# KiCad board DCDC_converter.kicad_pcb
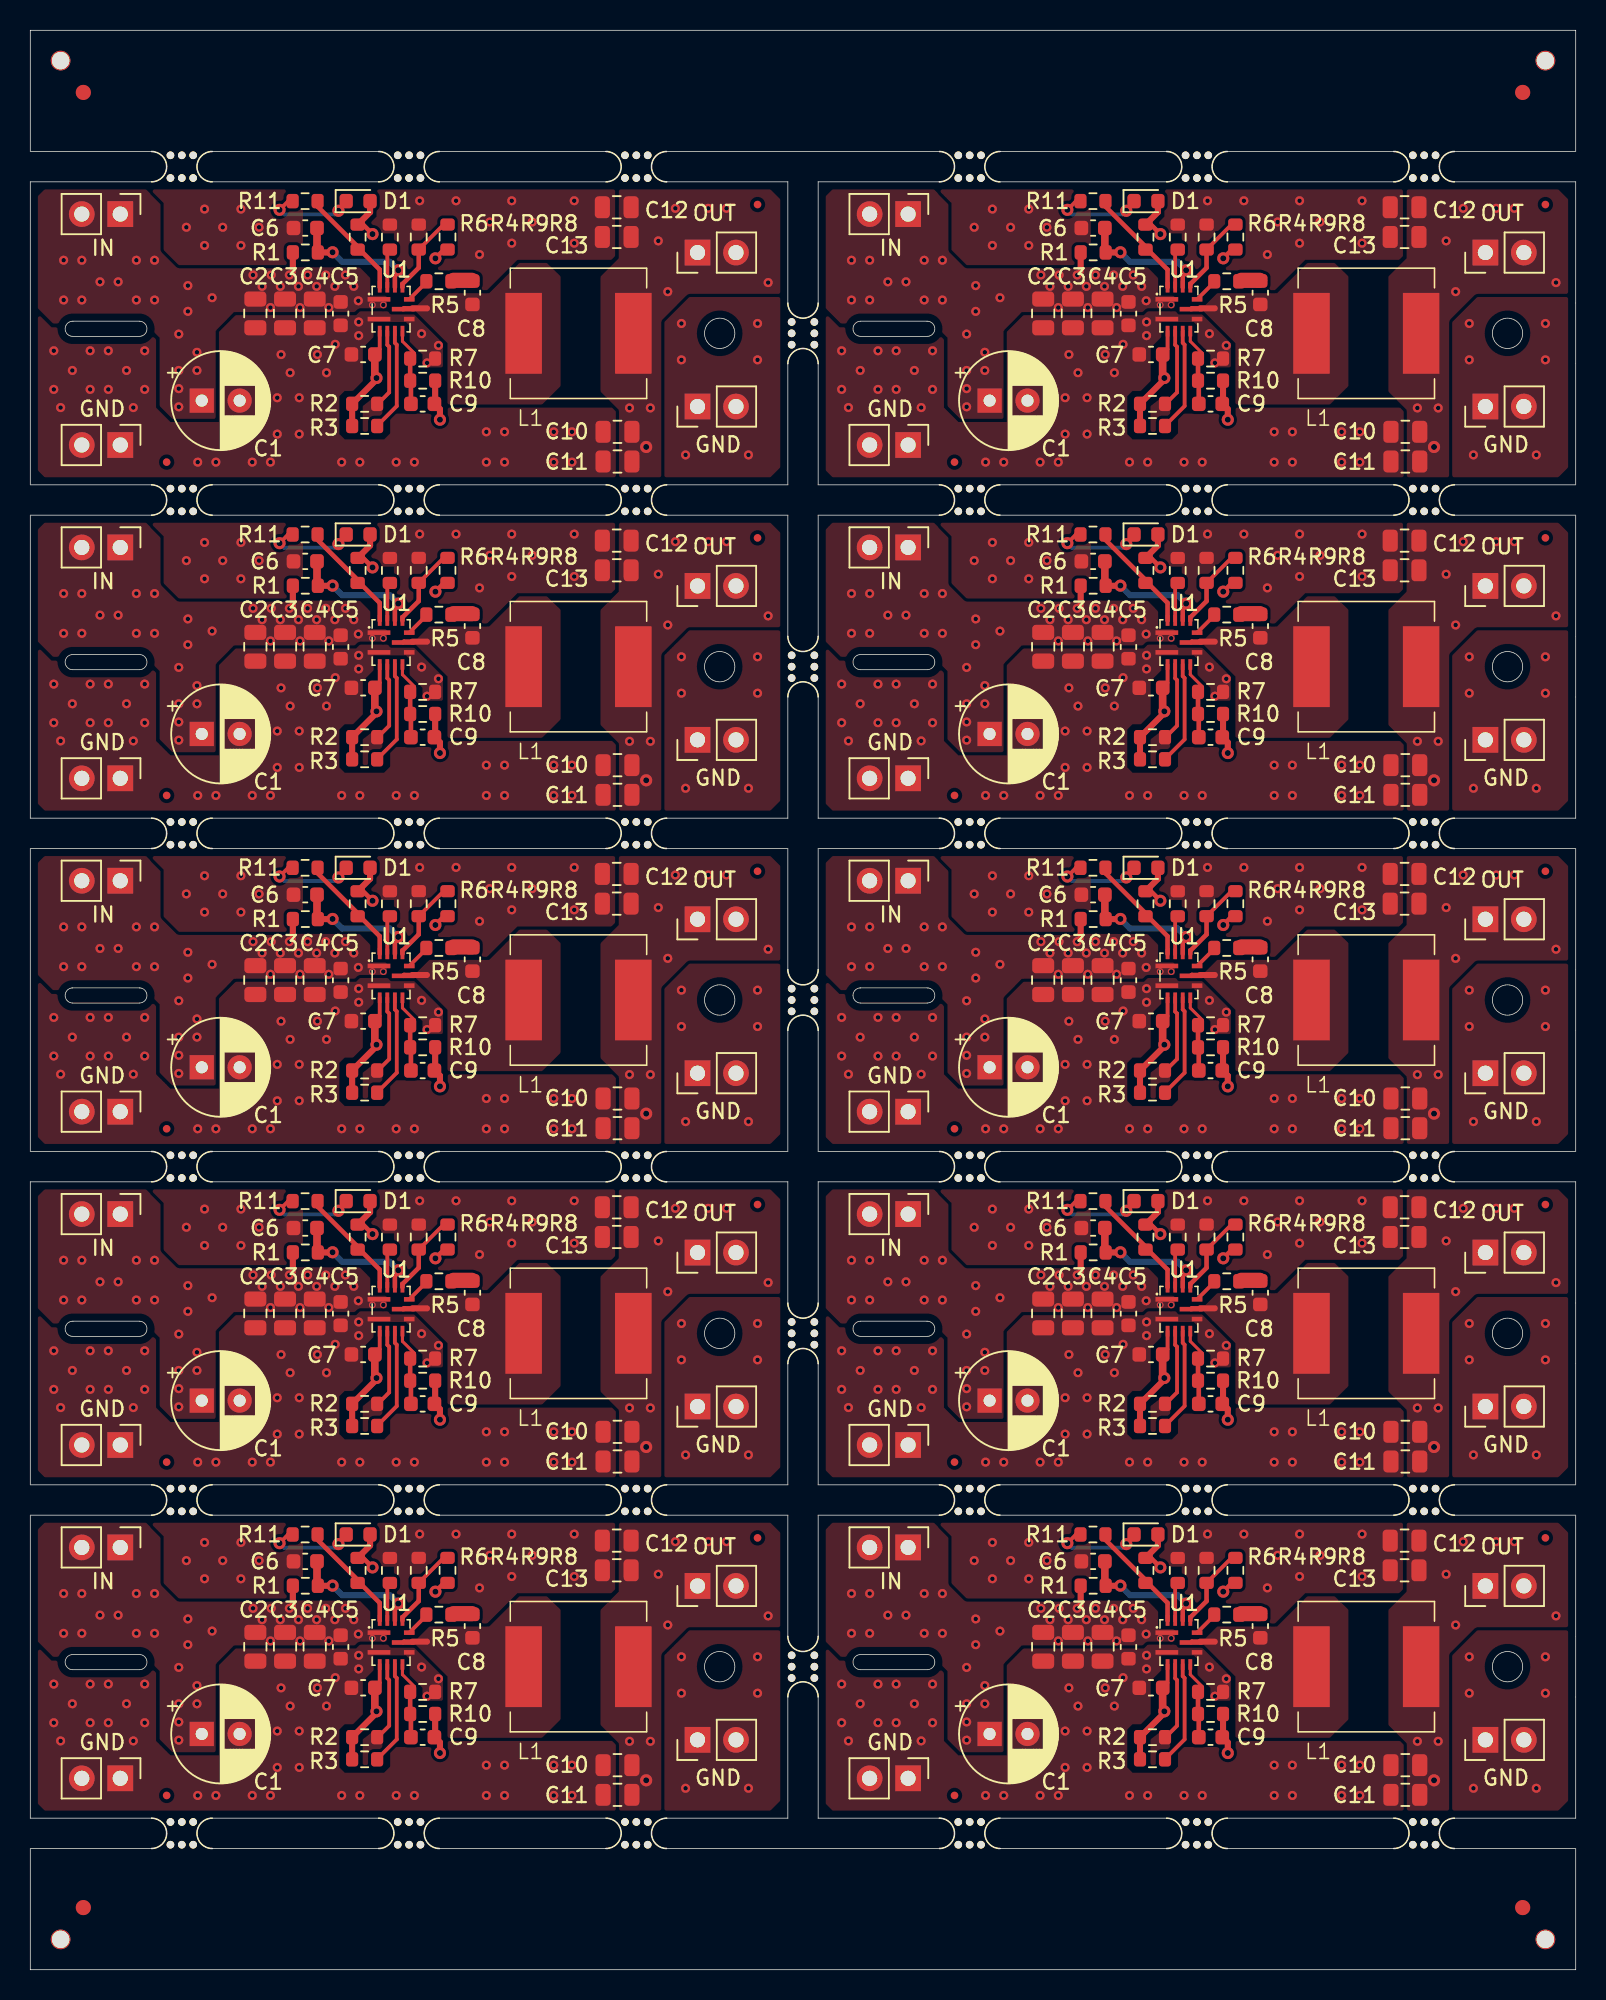
[diagram p0: board, top side]
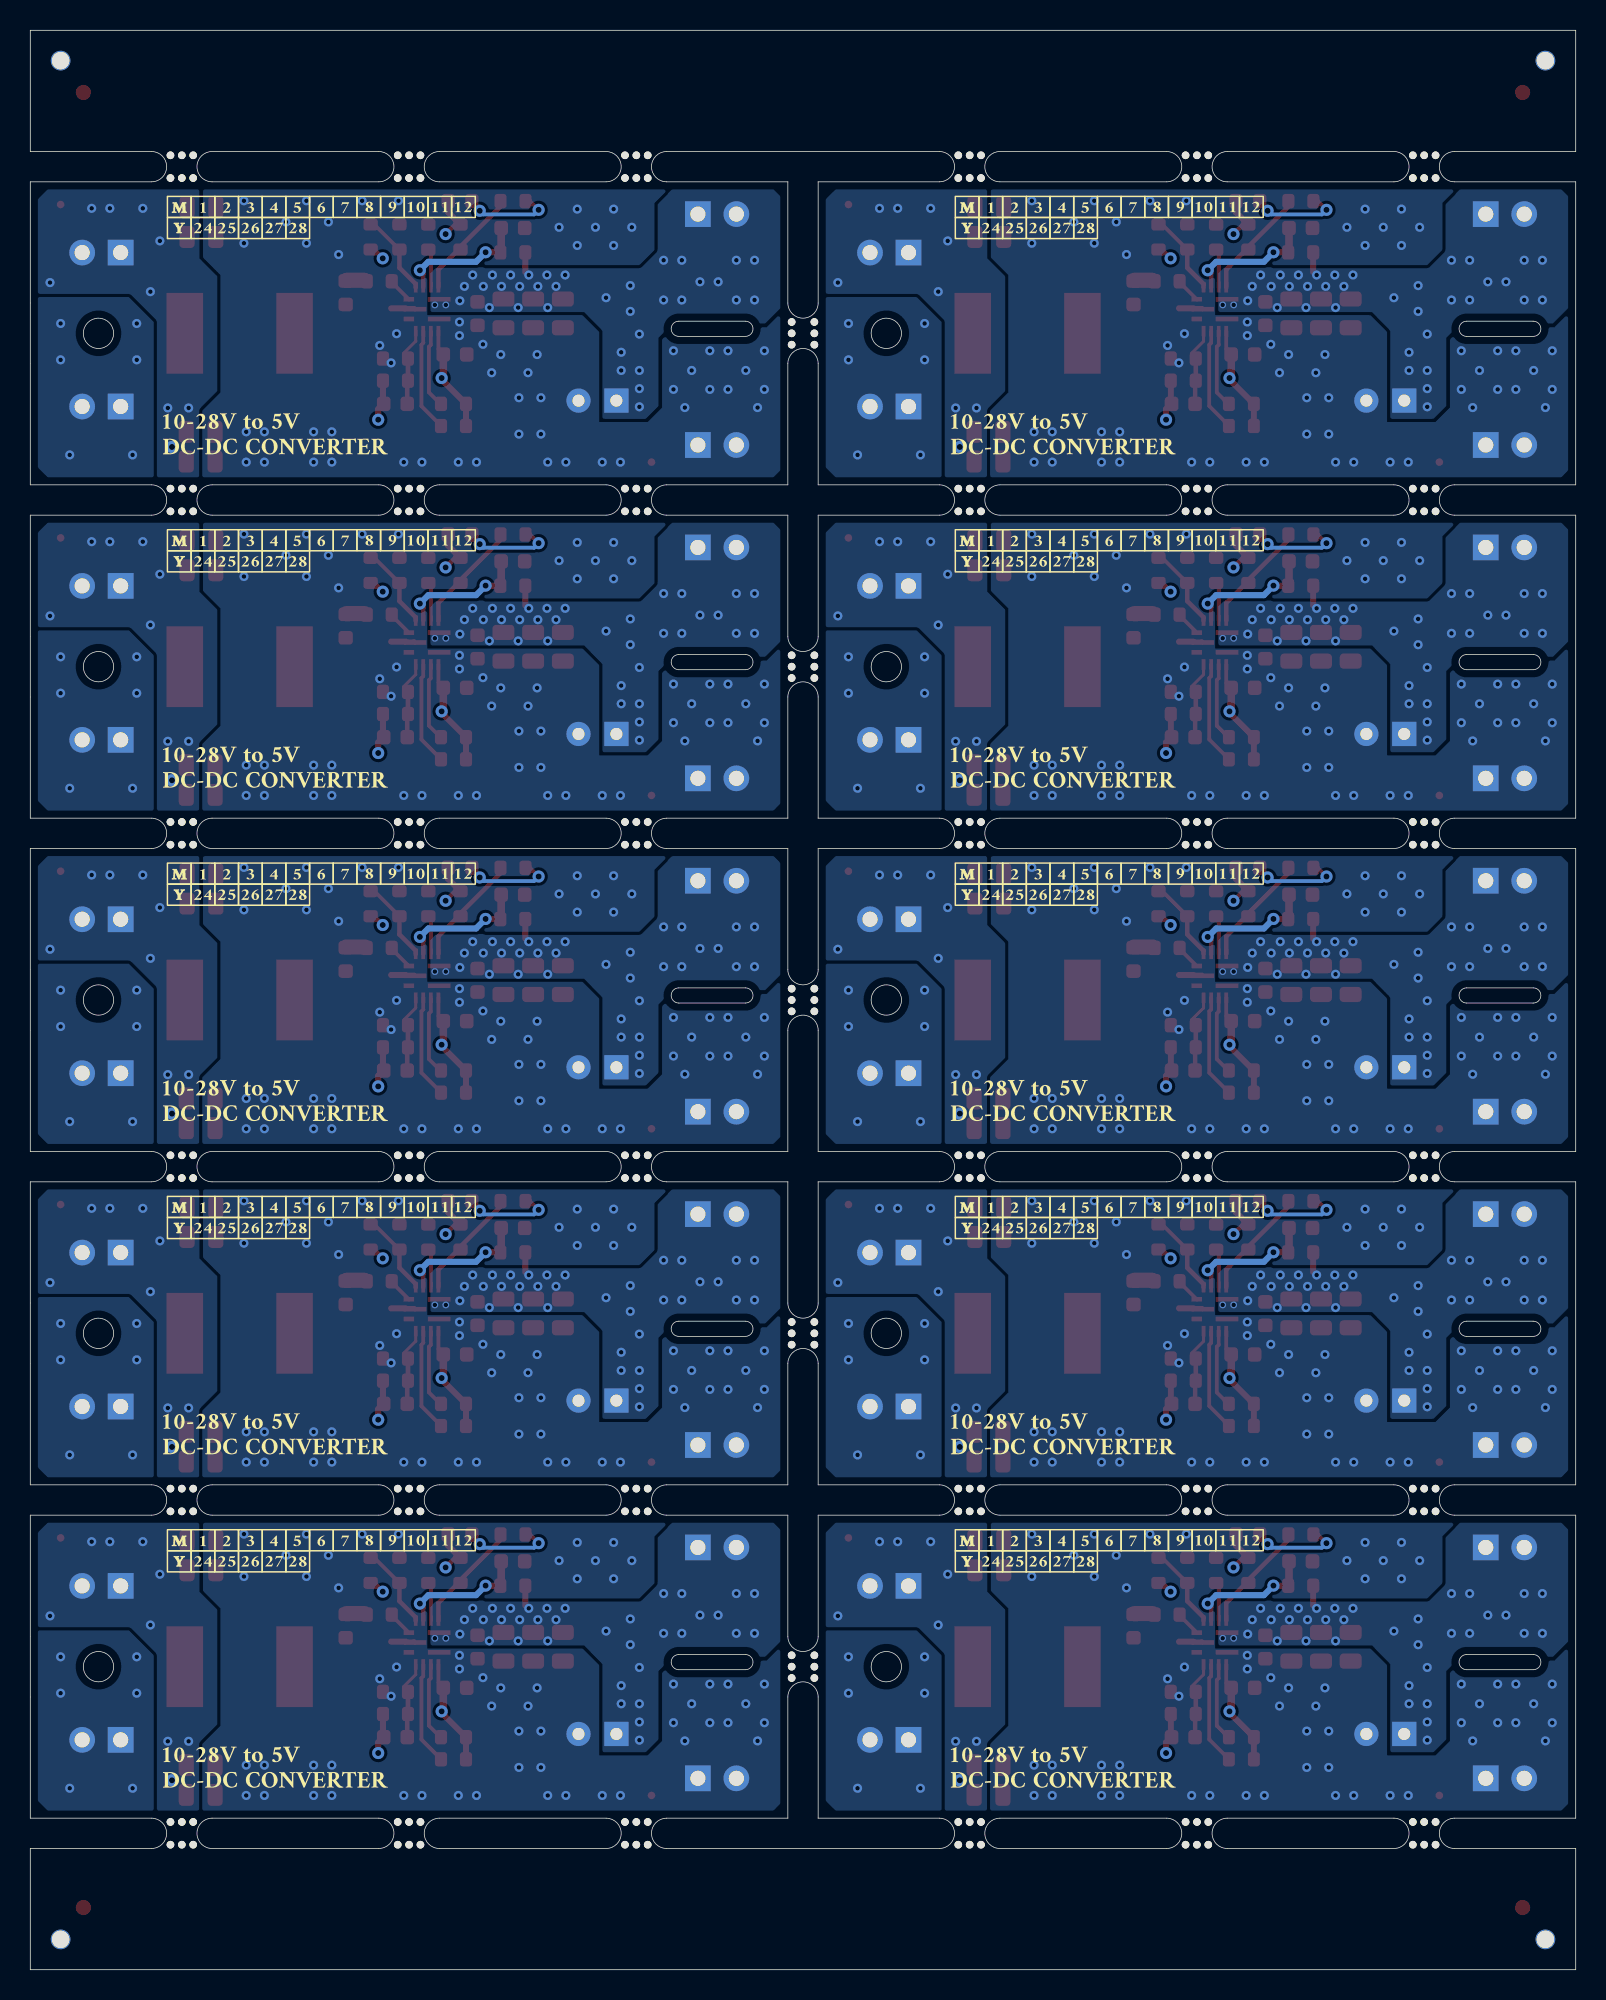
[diagram p1: board, bottom side, seen from below]

Outline 102 x 128 mm; copper layers: Top, In1.Cu, In2.Cu, Bottom. Coordinates in mm from the lower left corner of the outline.
Outline path: circle c45.5,108 r1 ; circle c45.5,86 r1 ; circle c45.5,64 r1 ; circle c45.5,42 r1 ; circle c45.5,20 r1 ; circle c97.5,108 r1 ; circle c97.5,86 r1 ; circle c97.5,64 r1 ; circle c97.5,42 r1 ; circle c97.5,20 r1 ; 0,128 0,120 8,120 arc(9,119) 8,118 0,118 0,98 8,98 arc(9,97) 8,96 0,96 0,76 8,76 arc(9,75) 8,74 0,74 0,54 8,54 arc(9,53) 8,52 0,52 0,32 8,32 arc(9,31) 8,30 0,30 0,10 8,10 arc(9,9) 8,8 0,8 0,0 102,0 102,8 94,8 arc(93,9) 94,10 102,10 102,30 94,30 arc(93,31) 94,32 102,32 102,52 94,52 arc(93,53) 94,54 102,54 102,74 94,74 arc(93,75) 94,76 102,76 102,96 94,96 arc(93,97) 94,98 102,98 102,118 94,118 arc(93,119) 94,120 102,120 102,128 0,128 ; 2.8,108.8 7.2,108.8 arc(7.7,108.3) 7.2,107.8 2.8,107.8 arc(2.3,108.3) 2.8,108.8 ; 2.8,86.8 7.2,86.8 arc(7.7,86.3) 7.2,85.8 2.8,85.8 arc(2.3,86.3) 2.8,86.8 ; 2.8,64.8 7.2,64.8 arc(7.7,64.3) 7.2,63.8 2.8,63.8 arc(2.3,64.3) 2.8,64.8 ; 2.8,42.8 7.2,42.8 arc(7.7,42.3) 7.2,41.8 2.8,41.8 arc(2.3,42.3) 2.8,42.8 ; 2.8,20.8 7.2,20.8 arc(7.7,20.3) 7.2,19.8 2.8,19.8 arc(2.3,20.3) 2.8,20.8 ; 12,120 23,120 arc(24,119) 23,118 12,118 arc(11,119) 12,120 ; 12,98 23,98 arc(24,97) 23,96 12,96 arc(11,97) 12,98 ; 12,76 23,76 arc(24,75) 23,74 12,74 arc(11,75) 12,76 ; 12,54 23,54 arc(24,53) 23,52 12,52 arc(11,53) 12,54 ; 12,32 23,32 arc(24,31) 23,30 12,30 arc(11,31) 12,32 ; 12,10 23,10 arc(24,9) 23,8 12,8 arc(11,9) 12,10 ; 27,120 38,120 arc(39,119) 38,118 27,118 arc(26,119) 27,120 ; 27,98 38,98 arc(39,97) 38,96 27,96 arc(26,97) 27,98 ; 27,76 38,76 arc(39,75) 38,74 27,74 arc(26,75) 27,76 ; 27,54 38,54 arc(39,53) 38,52 27,52 arc(26,53) 27,54 ; 27,32 38,32 arc(39,31) 38,30 27,30 arc(26,31) 27,32 ; 27,10 38,10 arc(39,9) 38,8 27,8 arc(26,9) 27,10 ; 42,120 60,120 arc(61,119) 60,118 52,118 52,110 arc(51,109) 50,110 50,118 42,118 arc(41,119) 42,120 ; 42,98 50,98 50,106 arc(51,107) 52,106 52,98 60,98 arc(61,97) 60,96 52,96 52,88 arc(51,87) 50,88 50,96 42,96 arc(41,97) 42,98 ; 42,76 50,76 50,84 arc(51,85) 52,84 52,76 60,76 arc(61,75) 60,74 52,74 52,66 arc(51,65) 50,66 50,74 42,74 arc(41,75) 42,76 ; 42,54 50,54 50,62 arc(51,63) 52,62 52,54 60,54 arc(61,53) 60,52 52,52 52,44 arc(51,43) 50,44 50,52 42,52 arc(41,53) 42,54 ; 42,32 50,32 50,40 arc(51,41) 52,40 52,32 60,32 arc(61,31) 60,30 52,30 52,22 arc(51,21) 50,22 50,30 42,30 arc(41,31) 42,32 ; 42,10 50,10 50,18 arc(51,19) 52,18 52,10 60,10 arc(61,9) 60,8 42,8 arc(41,9) 42,10 ; 54.8,108.8 59.2,108.8 arc(59.7,108.3) 59.2,107.8 54.8,107.8 arc(54.3,108.3) 54.8,108.8 ; 54.8,86.8 59.2,86.8 arc(59.7,86.3) 59.2,85.8 54.8,85.8 arc(54.3,86.3) 54.8,86.8 ; 54.8,64.8 59.2,64.8 arc(59.7,64.3) 59.2,63.8 54.8,63.8 arc(54.3,64.3) 54.8,64.8 ; 54.8,42.8 59.2,42.8 arc(59.7,42.3) 59.2,41.8 54.8,41.8 arc(54.3,42.3) 54.8,42.8 ; 54.8,20.8 59.2,20.8 arc(59.7,20.3) 59.2,19.8 54.8,19.8 arc(54.3,20.3) 54.8,20.8 ; 64,120 75,120 arc(76,119) 75,118 64,118 arc(63,119) 64,120 ; 64,98 75,98 arc(76,97) 75,96 64,96 arc(63,97) 64,98 ; 64,76 75,76 arc(76,75) 75,74 64,74 arc(63,75) 64,76 ; 64,54 75,54 arc(76,53) 75,52 64,52 arc(63,53) 64,54 ; 64,32 75,32 arc(76,31) 75,30 64,30 arc(63,31) 64,32 ; 64,10 75,10 arc(76,9) 75,8 64,8 arc(63,9) 64,10 ; 79,120 90,120 arc(91,119) 90,118 79,118 arc(78,119) 79,120 ; 79,98 90,98 arc(91,97) 90,96 79,96 arc(78,97) 79,98 ; 79,76 90,76 arc(91,75) 90,74 79,74 arc(78,75) 79,76 ; 79,54 90,54 arc(91,53) 90,52 79,52 arc(78,53) 79,54 ; 79,32 90,32 arc(91,31) 90,30 79,30 arc(78,31) 79,32 ; 79,10 90,10 arc(91,9) 90,8 79,8 arc(78,9) 79,10
Stack: Top 0.035mm / dielectric 0.1mm FR4 er 4.5 / In1.Cu 0.035mm / dielectric 1.24mm FR4 er 4.5 / In2.Cu 0.035mm / dielectric 0.1mm FR4 er 4.5 / Bottom 0.035mm

## Placement (name value [footprint] x y rotation side)
C1  100u  [CP_Radial_D6.3mm_P2.50mm]  63.32 15.56 0 top
C1#2  100u  [CP_Radial_D6.3mm_P2.50mm]  11.32 81.56 0 top
C1#3  100u  [CP_Radial_D6.3mm_P2.50mm]  11.32 59.56 0 top
C1#4  100u  [CP_Radial_D6.3mm_P2.50mm]  63.32 59.56 0 top
C1#5  100u  [CP_Radial_D6.3mm_P2.50mm]  63.32 103.56 0 top
C1#6  100u  [CP_Radial_D6.3mm_P2.50mm]  11.32 103.56 0 top
C1#7  100u  [CP_Radial_D6.3mm_P2.50mm]  11.32 37.56 0 top
C1#8  100u  [CP_Radial_D6.3mm_P2.50mm]  11.32 15.56 0 top
C1#9  100u  [CP_Radial_D6.3mm_P2.50mm]  63.32 81.56 0 top
C1#10  100u  [CP_Radial_D6.3mm_P2.50mm]  63.32 37.56 0 top
C2  10u  [C_0805_2012Metric]  66.85 87.31 270 top
C2#2  10u  [C_0805_2012Metric]  14.85 87.31 270 top
C2#3  10u  [C_0805_2012Metric]  14.85 21.31 270 top
C2#4  10u  [C_0805_2012Metric]  66.85 65.31 270 top
C2#5  10u  [C_0805_2012Metric]  66.85 43.31 270 top
C2#6  10u  [C_0805_2012Metric]  14.85 65.31 270 top
C2#7  10u  [C_0805_2012Metric]  66.85 109.31 270 top
C2#8  10u  [C_0805_2012Metric]  14.85 43.31 270 top
C2#9  10u  [C_0805_2012Metric]  14.85 109.31 270 top
C2#10  10u  [C_0805_2012Metric]  66.85 21.31 270 top
C3  10u  [C_0805_2012Metric]  68.81 21.31 270 top
C3#2  10u  [C_0805_2012Metric]  68.81 87.31 270 top
C3#3  10u  [C_0805_2012Metric]  68.81 109.31 270 top
C3#4  10u  [C_0805_2012Metric]  16.81 21.31 270 top
C3#5  10u  [C_0805_2012Metric]  68.81 65.31 270 top
C3#6  10u  [C_0805_2012Metric]  16.81 87.31 270 top
C3#7  10u  [C_0805_2012Metric]  16.81 43.31 270 top
C3#8  10u  [C_0805_2012Metric]  16.81 109.31 270 top
C3#9  10u  [C_0805_2012Metric]  68.81 43.31 270 top
C3#10  10u  [C_0805_2012Metric]  16.81 65.31 270 top
C4  10u  [C_0805_2012Metric]  18.77 109.32 270 top
C4#2  10u  [C_0805_2012Metric]  70.77 65.32 270 top
C4#3  10u  [C_0805_2012Metric]  18.77 87.32 270 top
C4#4  10u  [C_0805_2012Metric]  70.77 21.32 270 top
C4#5  10u  [C_0805_2012Metric]  70.77 109.32 270 top
C4#6  10u  [C_0805_2012Metric]  70.77 43.32 270 top
C4#7  10u  [C_0805_2012Metric]  18.77 21.32 270 top
C4#8  10u  [C_0805_2012Metric]  70.77 87.32 270 top
C4#9  10u  [C_0805_2012Metric]  18.77 65.32 270 top
C4#10  10u  [C_0805_2012Metric]  18.77 43.32 270 top
C5  100n  [C_0603_1608Metric]  20.48 43.3 270 top
C5#2  100n  [C_0603_1608Metric]  72.48 87.3 270 top
C5#3  100n  [C_0603_1608Metric]  72.48 65.3 270 top
C5#4  100n  [C_0603_1608Metric]  20.48 21.3 270 top
C5#5  100n  [C_0603_1608Metric]  72.48 21.3 270 top
C5#6  100n  [C_0603_1608Metric]  72.48 109.3 270 top
C5#7  100n  [C_0603_1608Metric]  20.48 109.3 270 top
C5#8  100n  [C_0603_1608Metric]  20.48 65.3 270 top
C5#9  100n  [C_0603_1608Metric]  20.48 87.3 270 top
C5#10  100n  [C_0603_1608Metric]  72.48 43.3 270 top
C6  1n  [C_0603_1608Metric]  18.15 70.95 180 top
C6#2  1n  [C_0603_1608Metric]  18.15 114.95 180 top
C6#3  1n  [C_0603_1608Metric]  70.15 26.95 180 top
C6#4  1n  [C_0603_1608Metric]  70.15 48.95 180 top
C6#5  1n  [C_0603_1608Metric]  70.15 92.95 180 top
C6#6  1n  [C_0603_1608Metric]  18.15 92.95 180 top
C6#7  1n  [C_0603_1608Metric]  70.15 114.95 180 top
C6#8  1n  [C_0603_1608Metric]  18.15 26.95 180 top
C6#9  1n  [C_0603_1608Metric]  18.15 48.95 180 top
C6#10  1n  [C_0603_1608Metric]  70.15 70.95 180 top
C7  2u2  [C_0603_1608Metric]  73.97 84.61 180 top
C7#2  2u2  [C_0603_1608Metric]  21.97 62.61 180 top
C7#3  2u2  [C_0603_1608Metric]  73.97 18.6 180 top
C7#4  2u2  [C_0603_1608Metric]  21.97 84.61 180 top
C7#5  2u2  [C_0603_1608Metric]  73.97 62.61 180 top
C7#6  2u2  [C_0603_1608Metric]  73.97 106.6 180 top
C7#7  2u2  [C_0603_1608Metric]  21.97 40.61 180 top
C7#8  2u2  [C_0603_1608Metric]  73.97 40.61 180 top
C7#9  2u2  [C_0603_1608Metric]  21.97 106.6 180 top
C7#10  2u2  [C_0603_1608Metric]  21.97 18.6 180 top
C8  1u  [C_0603_1608Metric]  29.18 88.68 90 top
C8#2  1u  [C_0603_1608Metric]  29.18 22.68 90 top
C8#3  1u  [C_0603_1608Metric]  81.18 44.68 90 top
C8#4  1u  [C_0603_1608Metric]  81.18 88.68 90 top
C8#5  1u  [C_0603_1608Metric]  81.18 110.68 90 top
C8#6  1u  [C_0603_1608Metric]  81.18 66.68 90 top
C8#7  1u  [C_0603_1608Metric]  29.18 110.68 90 top
C8#8  1u  [C_0603_1608Metric]  81.18 22.68 90 top
C8#9  1u  [C_0603_1608Metric]  29.18 66.68 90 top
C8#10  1u  [C_0603_1608Metric]  29.18 44.68 90 top
C9  22p  [C_0603_1608Metric]  77.9 103.34 180 top
C9#2  22p  [C_0603_1608Metric]  25.9 15.34 180 top
C9#3  22p  [C_0603_1608Metric]  77.9 81.34 180 top
C9#4  22p  [C_0603_1608Metric]  25.9 37.34 180 top
C9#5  22p  [C_0603_1608Metric]  25.9 59.34 180 top
C9#6  22p  [C_0603_1608Metric]  77.9 37.34 180 top
C9#7  22p  [C_0603_1608Metric]  25.9 81.34 180 top
C9#8  22p  [C_0603_1608Metric]  77.9 59.34 180 top
C9#9  22p  [C_0603_1608Metric]  77.9 15.34 180 top
C9#10  22p  [C_0603_1608Metric]  25.9 103.34 180 top
C10  22u  [C_0805_2012Metric]  38.75 79.5 180 top
C10#2  22u  [C_0805_2012Metric]  90.75 35.5 180 top
C10#3  22u  [C_0805_2012Metric]  90.75 57.5 180 top
C10#4  22u  [C_0805_2012Metric]  90.75 101.5 180 top
C10#5  22u  [C_0805_2012Metric]  38.75 35.5 180 top
C10#6  22u  [C_0805_2012Metric]  38.75 57.5 180 top
C10#7  22u  [C_0805_2012Metric]  38.75 13.5 180 top
C10#8  22u  [C_0805_2012Metric]  90.75 79.5 180 top
C10#9  22u  [C_0805_2012Metric]  38.75 101.5 180 top
C10#10  22u  [C_0805_2012Metric]  90.75 13.5 180 top
C11  22u  [C_0805_2012Metric]  38.75 99.54 180 top
C11#2  22u  [C_0805_2012Metric]  90.75 77.54 180 top
C11#3  22u  [C_0805_2012Metric]  38.75 33.54 180 top
C11#4  22u  [C_0805_2012Metric]  90.75 55.54 180 top
C11#5  22u  [C_0805_2012Metric]  90.75 11.54 180 top
C11#6  22u  [C_0805_2012Metric]  90.75 33.54 180 top
C11#7  22u  [C_0805_2012Metric]  38.75 55.54 180 top
C11#8  22u  [C_0805_2012Metric]  38.75 11.54 180 top
C11#9  22u  [C_0805_2012Metric]  38.75 77.54 180 top
C11#10  22u  [C_0805_2012Metric]  90.75 99.54 180 top
C12  22u  [C_0805_2012Metric]  38.7 72.32 180 top
C12#2  22u  [C_0805_2012Metric]  90.71 50.32 180 top
C12#3  22u  [C_0805_2012Metric]  38.7 50.32 180 top
C12#4  22u  [C_0805_2012Metric]  38.7 94.32 180 top
C12#5  22u  [C_0805_2012Metric]  90.71 72.32 180 top
C12#6  22u  [C_0805_2012Metric]  90.71 116.32 180 top
C12#7  22u  [C_0805_2012Metric]  38.7 28.32 180 top
C12#8  22u  [C_0805_2012Metric]  90.71 28.32 180 top
C12#9  22u  [C_0805_2012Metric]  38.7 116.32 180 top
C12#10  22u  [C_0805_2012Metric]  90.71 94.32 180 top
C13  22u  [C_0805_2012Metric]  38.7 114.36 180 top
C13#2  22u  [C_0805_2012Metric]  90.7 48.36 180 top
C13#3  22u  [C_0805_2012Metric]  90.7 92.36 180 top
C13#4  22u  [C_0805_2012Metric]  38.7 70.36 180 top
C13#5  22u  [C_0805_2012Metric]  38.7 92.36 180 top
C13#6  22u  [C_0805_2012Metric]  38.7 26.36 180 top
C13#7  22u  [C_0805_2012Metric]  38.7 48.36 180 top
C13#8  22u  [C_0805_2012Metric]  90.7 70.36 180 top
C13#9  22u  [C_0805_2012Metric]  90.7 26.36 180 top
C13#10  22u  [C_0805_2012Metric]  90.7 114.36 180 top
D1  LED  [LED_0603_1608Metric]  73.64 72.72 0 top
D1#2  LED  [LED_0603_1608Metric]  73.64 28.72 0 top
D1#3  LED  [LED_0603_1608Metric]  21.64 50.72 0 top
D1#4  LED  [LED_0603_1608Metric]  73.64 50.72 0 top
D1#5  LED  [LED_0603_1608Metric]  21.64 72.72 0 top
D1#6  LED  [LED_0603_1608Metric]  21.64 28.72 0 top
D1#7  LED  [LED_0603_1608Metric]  73.64 94.72 0 top
D1#8  LED  [LED_0603_1608Metric]  73.64 116.72 0 top
D1#9  LED  [LED_0603_1608Metric]  21.64 116.72 0 top
D1#10  LED  [LED_0603_1608Metric]  21.64 94.72 0 top
J1  Conn_01x02_Pin  [PinHeader_1x02_P2.54mm_Vertical]  57.94 71.87 270 top
J1#2  Conn_01x02_Pin  [PinHeader_1x02_P2.54mm_Vertical]  57.94 49.87 270 top
J1#3  Conn_01x02_Pin  [PinHeader_1x02_P2.54mm_Vertical]  57.94 93.87 270 top
J1#4  Conn_01x02_Pin  [PinHeader_1x02_P2.54mm_Vertical]  5.94 93.87 270 top
J1#5  Conn_01x02_Pin  [PinHeader_1x02_P2.54mm_Vertical]  5.94 49.87 270 top
J1#6  Conn_01x02_Pin  [PinHeader_1x02_P2.54mm_Vertical]  57.94 115.87 270 top
J1#7  Conn_01x02_Pin  [PinHeader_1x02_P2.54mm_Vertical]  5.94 27.87 270 top
J1#8  Conn_01x02_Pin  [PinHeader_1x02_P2.54mm_Vertical]  5.94 115.87 270 top
J1#9  Conn_01x02_Pin  [PinHeader_1x02_P2.54mm_Vertical]  57.94 27.87 270 top
J1#10  Conn_01x02_Pin  [PinHeader_1x02_P2.54mm_Vertical]  5.94 71.87 270 top
J2  Conn_01x02_Pin  [PinHeader_1x02_P2.54mm_Vertical]  5.94 78.63 270 top
J2#2  Conn_01x02_Pin  [PinHeader_1x02_P2.54mm_Vertical]  57.94 100.63 270 top
J2#3  Conn_01x02_Pin  [PinHeader_1x02_P2.54mm_Vertical]  5.94 12.63 270 top
J2#4  Conn_01x02_Pin  [PinHeader_1x02_P2.54mm_Vertical]  5.94 34.63 270 top
J2#5  Conn_01x02_Pin  [PinHeader_1x02_P2.54mm_Vertical]  57.94 34.63 270 top
J2#6  Conn_01x02_Pin  [PinHeader_1x02_P2.54mm_Vertical]  57.94 12.63 270 top
J2#7  Conn_01x02_Pin  [PinHeader_1x02_P2.54mm_Vertical]  57.94 78.63 270 top
J2#8  Conn_01x02_Pin  [PinHeader_1x02_P2.54mm_Vertical]  5.94 100.63 270 top
J2#9  Conn_01x02_Pin  [PinHeader_1x02_P2.54mm_Vertical]  57.94 56.63 270 top
J2#10  Conn_01x02_Pin  [PinHeader_1x02_P2.54mm_Vertical]  5.94 56.63 270 top
J3  Conn_01x02_Pin  [PinHeader_1x02_P2.54mm_Vertical]  44.04 69.33 90 top
J3#2  Conn_01x02_Pin  [PinHeader_1x02_P2.54mm_Vertical]  96.04 69.33 90 top
J3#3  Conn_01x02_Pin  [PinHeader_1x02_P2.54mm_Vertical]  44.04 113.33 90 top
J3#4  Conn_01x02_Pin  [PinHeader_1x02_P2.54mm_Vertical]  96.04 113.33 90 top
J3#5  Conn_01x02_Pin  [PinHeader_1x02_P2.54mm_Vertical]  96.04 25.33 90 top
J3#6  Conn_01x02_Pin  [PinHeader_1x02_P2.54mm_Vertical]  44.04 25.33 90 top
J3#7  Conn_01x02_Pin  [PinHeader_1x02_P2.54mm_Vertical]  96.04 91.33 90 top
J3#8  Conn_01x02_Pin  [PinHeader_1x02_P2.54mm_Vertical]  44.04 47.33 90 top
J3#9  Conn_01x02_Pin  [PinHeader_1x02_P2.54mm_Vertical]  96.04 47.33 90 top
J3#10  Conn_01x02_Pin  [PinHeader_1x02_P2.54mm_Vertical]  44.04 91.33 90 top
J4  Conn_01x02_Pin  [PinHeader_1x02_P2.54mm_Vertical]  44.04 59.17 90 top
J4#2  Conn_01x02_Pin  [PinHeader_1x02_P2.54mm_Vertical]  96.04 103.17 90 top
J4#3  Conn_01x02_Pin  [PinHeader_1x02_P2.54mm_Vertical]  44.04 15.17 90 top
J4#4  Conn_01x02_Pin  [PinHeader_1x02_P2.54mm_Vertical]  44.04 103.17 90 top
J4#5  Conn_01x02_Pin  [PinHeader_1x02_P2.54mm_Vertical]  96.04 59.17 90 top
J4#6  Conn_01x02_Pin  [PinHeader_1x02_P2.54mm_Vertical]  96.04 81.17 90 top
J4#7  Conn_01x02_Pin  [PinHeader_1x02_P2.54mm_Vertical]  44.04 81.17 90 top
J4#8  Conn_01x02_Pin  [PinHeader_1x02_P2.54mm_Vertical]  44.04 37.17 90 top
J4#9  Conn_01x02_Pin  [PinHeader_1x02_P2.54mm_Vertical]  96.04 37.17 90 top
J4#10  Conn_01x02_Pin  [PinHeader_1x02_P2.54mm_Vertical]  96.04 15.17 90 top
L1  4u7  [Inductor_IHLP3232DZER4R7M11_HK]  36.18 64 0 top
L1#2  4u7  [Inductor_IHLP3232DZER4R7M11_HK]  36.18 86 0 top
L1#3  4u7  [Inductor_IHLP3232DZER4R7M11_HK]  88.18 20 0 top
L1#4  4u7  [Inductor_IHLP3232DZER4R7M11_HK]  88.18 64 0 top
L1#5  4u7  [Inductor_IHLP3232DZER4R7M11_HK]  88.18 108 0 top
L1#6  4u7  [Inductor_IHLP3232DZER4R7M11_HK]  88.18 86 0 top
L1#7  4u7  [Inductor_IHLP3232DZER4R7M11_HK]  36.18 20 0 top
L1#8  4u7  [Inductor_IHLP3232DZER4R7M11_HK]  88.18 42 0 top
L1#9  4u7  [Inductor_IHLP3232DZER4R7M11_HK]  36.18 42 0 top
L1#10  4u7  [Inductor_IHLP3232DZER4R7M11_HK]  36.18 108 0 top
mouse-bite-2mm-slot  VAL**  [mouse-bite-2mm-slot]  62 9 180 top
mouse-bite-2mm-slot1  VAL**  [mouse-bite-2mm-slot]  62 97 180 top
mouse-bite-2mm-slot2  VAL**  [mouse-bite-2mm-slot]  77 97 180 top
mouse-bite-2mm-slot3  VAL**  [mouse-bite-2mm-slot]  92 97 180 top
mouse-bite-2mm-slot5  VAL**  [mouse-bite-2mm-slot]  10 75 180 top
mouse-bite-2mm-slot6  VAL**  [mouse-bite-2mm-slot]  25 75 180 top
mouse-bite-2mm-slot7  VAL**  [mouse-bite-2mm-slot]  40 75 180 top
mouse-bite-2mm-slot8  VAL**  [mouse-bite-2mm-slot]  51 86 90 top
mouse-bite-2mm-slot9  VAL**  [mouse-bite-2mm-slot]  62 75 180 top
mouse-bite-2mm-slot10  VAL**  [mouse-bite-2mm-slot]  77 75 180 top
mouse-bite-2mm-slot11  VAL**  [mouse-bite-2mm-slot]  92 75 180 top
mouse-bite-2mm-slot13  VAL**  [mouse-bite-2mm-slot]  10 53 180 top
mouse-bite-2mm-slot14  VAL**  [mouse-bite-2mm-slot]  25 53 180 top
mouse-bite-2mm-slot15  VAL**  [mouse-bite-2mm-slot]  40 53 180 top
mouse-bite-2mm-slot16  VAL**  [mouse-bite-2mm-slot]  51 64 90 top
mouse-bite-2mm-slot17  VAL**  [mouse-bite-2mm-slot]  62 53 180 top
mouse-bite-2mm-slot18  VAL**  [mouse-bite-2mm-slot]  77 53 180 top
mouse-bite-2mm-slot19  VAL**  [mouse-bite-2mm-slot]  92 53 180 top
mouse-bite-2mm-slot21  VAL**  [mouse-bite-2mm-slot]  10 31 180 top
mouse-bite-2mm-slot22  VAL**  [mouse-bite-2mm-slot]  25 31 180 top
mouse-bite-2mm-slot23  VAL**  [mouse-bite-2mm-slot]  40 31 180 top
mouse-bite-2mm-slot24  VAL**  [mouse-bite-2mm-slot]  51 42 90 top
mouse-bite-2mm-slot25  VAL**  [mouse-bite-2mm-slot]  62 31 180 top
mouse-bite-2mm-slot26  VAL**  [mouse-bite-2mm-slot]  77 31 180 top
mouse-bite-2mm-slot27  VAL**  [mouse-bite-2mm-slot]  92 31 180 top
mouse-bite-2mm-slot32  VAL**  [mouse-bite-2mm-slot]  51 20 90 top
mouse-bite-2mm-slot#2  VAL**  [mouse-bite-2mm-slot]  77 9 180 top
mouse-bite-2mm-slot#3  VAL**  [mouse-bite-2mm-slot]  25 9 180 top
mouse-bite-2mm-slot#4  VAL**  [mouse-bite-2mm-slot]  40 9 180 top
mouse-bite-2mm-slot#5  VAL**  [mouse-bite-2mm-slot]  92 119 180 top
mouse-bite-2mm-slot#6  VAL**  [mouse-bite-2mm-slot]  25 97 180 top
mouse-bite-2mm-slot#7  VAL**  [mouse-bite-2mm-slot]  40 119 180 top
mouse-bite-2mm-slot#8  VAL**  [mouse-bite-2mm-slot]  25 119 180 top
mouse-bite-2mm-slot#9  VAL**  [mouse-bite-2mm-slot]  10 119 180 top
mouse-bite-2mm-slot#10  VAL**  [mouse-bite-2mm-slot]  51 108 90 top
mouse-bite-2mm-slot#11  VAL**  [mouse-bite-2mm-slot]  77 119 180 top
mouse-bite-2mm-slot#12  VAL**  [mouse-bite-2mm-slot]  92 9 180 top
mouse-bite-2mm-slot#13  VAL**  [mouse-bite-2mm-slot]  10 97 180 top
mouse-bite-2mm-slot#14  VAL**  [mouse-bite-2mm-slot]  10 9 180 top
mouse-bite-2mm-slot#15  VAL**  [mouse-bite-2mm-slot]  62 119 180 top
mouse-bite-2mm-slot#16  VAL**  [mouse-bite-2mm-slot]  40 97 180 top
NOREF  -  [unnamed]  100 126 0 top
NOREF#2  -  [unnamed]  2 2 0 top
NOREF#3  -  [unnamed]  2 126 0 top
NOREF#4  -  [unnamed]  100 2 0 top
R1  300k  [R_0603_1608Metric]  18.15 25.34 0 top
R1#2  300k  [R_0603_1608Metric]  70.15 47.34 0 top
R1#3  300k  [R_0603_1608Metric]  18.15 113.34 0 top
R1#4  300k  [R_0603_1608Metric]  18.15 91.34 0 top
R1#5  300k  [R_0603_1608Metric]  70.15 113.34 0 top
R1#6  300k  [R_0603_1608Metric]  70.15 91.34 0 top
R1#7  300k  [R_0603_1608Metric]  18.15 69.34 0 top
R1#8  300k  [R_0603_1608Metric]  70.15 69.34 0 top
R1#9  300k  [R_0603_1608Metric]  18.15 47.34 0 top
R1#10  300k  [R_0603_1608Metric]  70.15 25.34 0 top
R2  10k  [R_0603_1608Metric]  22.07 15.34 0 top
R2#2  10k  [R_0603_1608Metric]  22.07 37.34 0 top
R2#3  10k  [R_0603_1608Metric]  22.07 103.34 0 top
R2#4  10k  [R_0603_1608Metric]  74.07 15.34 0 top
R2#5  10k  [R_0603_1608Metric]  74.07 103.34 0 top
R2#6  10k  [R_0603_1608Metric]  22.07 59.34 0 top
R2#7  10k  [R_0603_1608Metric]  74.07 59.34 0 top
R2#8  10k  [R_0603_1608Metric]  74.07 37.34 0 top
R2#9  10k  [R_0603_1608Metric]  74.07 81.34 0 top
R2#10  10k  [R_0603_1608Metric]  22.07 81.34 0 top
R3  10k  [R_0603_1608Metric]  22.07 13.88 0 top
R3#2  10k  [R_0603_1608Metric]  22.07 79.89 0 top
R3#3  10k  [R_0603_1608Metric]  74.07 57.89 0 top
R3#4  10k  [R_0603_1608Metric]  22.07 57.89 0 top
R3#5  10k  [R_0603_1608Metric]  74.07 101.89 0 top
R3#6  10k  [R_0603_1608Metric]  22.07 101.89 0 top
R3#7  10k  [R_0603_1608Metric]  74.07 13.88 0 top
R3#8  10k  [R_0603_1608Metric]  74.07 79.89 0 top
R3#9  10k  [R_0603_1608Metric]  22.07 35.88 0 top
R3#10  10k  [R_0603_1608Metric]  74.07 35.88 0 top
R4  51k  [R_0603_1608Metric]  23.73 92.35 90 top
R4#2  51k  [R_0603_1608Metric]  75.73 92.35 90 top
R4#3  51k  [R_0603_1608Metric]  23.73 114.35 90 top
R4#4  51k  [R_0603_1608Metric]  75.73 70.35 90 top
R4#5  51k  [R_0603_1608Metric]  75.73 26.35 90 top
R4#6  51k  [R_0603_1608Metric]  23.73 26.35 90 top
R4#7  51k  [R_0603_1608Metric]  75.73 114.35 90 top
R4#8  51k  [R_0603_1608Metric]  75.73 48.35 90 top
R4#9  51k  [R_0603_1608Metric]  23.73 70.35 90 top
R4#10  51k  [R_0603_1608Metric]  23.73 48.35 90 top
R5  0  [R_0603_1608Metric]  78.97 45.44 0 top
R5#2  0  [R_0603_1608Metric]  26.97 45.44 0 top
R5#3  0  [R_0603_1608Metric]  78.97 67.44 0 top
R5#4  0  [R_0603_1608Metric]  26.97 67.44 0 top
R5#5  0  [R_0603_1608Metric]  26.97 89.44 0 top
R5#6  0  [R_0603_1608Metric]  78.97 111.44 0 top
R5#7  0  [R_0603_1608Metric]  26.97 23.44 0 top
R5#8  0  [R_0603_1608Metric]  78.97 23.44 0 top
R5#9  0  [R_0603_1608Metric]  26.97 111.44 0 top
R5#10  0  [R_0603_1608Metric]  78.97 89.44 0 top
R6  10k  [R_0603_1608Metric]  73.61 70.35 90 top
R6#2  10k  [R_0603_1608Metric]  73.61 92.35 90 top
R6#3  10k  [R_0603_1608Metric]  73.61 114.35 90 top
R6#4  10k  [R_0603_1608Metric]  21.61 70.35 90 top
R6#5  10k  [R_0603_1608Metric]  21.61 114.35 90 top
R6#6  10k  [R_0603_1608Metric]  73.61 26.35 90 top
R6#7  10k  [R_0603_1608Metric]  21.61 48.35 90 top
R6#8  10k  [R_0603_1608Metric]  73.61 48.35 90 top
R6#9  10k  [R_0603_1608Metric]  21.61 92.35 90 top
R6#10  10k  [R_0603_1608Metric]  21.61 26.35 90 top
R7  11k  [R_0603_1608Metric]  77.9 84.33 0 top
R7#2  11k  [R_0603_1608Metric]  25.9 84.33 0 top
R7#3  11k  [R_0603_1608Metric]  77.9 40.33 0 top
R7#4  11k  [R_0603_1608Metric]  77.9 106.34 0 top
R7#5  11k  [R_0603_1608Metric]  25.9 18.34 0 top
R7#6  11k  [R_0603_1608Metric]  25.9 106.34 0 top
R7#7  11k  [R_0603_1608Metric]  25.9 62.33 0 top
R7#8  11k  [R_0603_1608Metric]  77.9 18.34 0 top
R7#9  11k  [R_0603_1608Metric]  25.9 40.33 0 top
R7#10  11k  [R_0603_1608Metric]  77.9 62.33 0 top
R8  0  [R_0603_1608Metric]  79.54 48.36 270 top
R8#2  0  [R_0603_1608Metric]  27.54 70.36 270 top
R8#3  0  [R_0603_1608Metric]  27.54 26.35 270 top
R8#4  0  [R_0603_1608Metric]  27.54 48.36 270 top
R8#5  0  [R_0603_1608Metric]  27.54 114.35 270 top
R8#6  0  [R_0603_1608Metric]  79.54 92.36 270 top
R8#7  0  [R_0603_1608Metric]  79.54 114.35 270 top
R8#8  0  [R_0603_1608Metric]  79.54 26.35 270 top
R8#9  0  [R_0603_1608Metric]  27.54 92.36 270 top
R8#10  0  [R_0603_1608Metric]  79.54 70.36 270 top
R9  0  [R_0603_1608Metric]  77.64 48.36 90 top
R9#2  0  [R_0603_1608Metric]  25.64 70.36 90 top
R9#3  0  [R_0603_1608Metric]  77.64 26.35 90 top
R9#4  0  [R_0603_1608Metric]  25.64 26.35 90 top
R9#5  0  [R_0603_1608Metric]  25.64 92.36 90 top
R9#6  0  [R_0603_1608Metric]  77.64 70.36 90 top
R9#7  0  [R_0603_1608Metric]  77.64 114.35 90 top
R9#8  0  [R_0603_1608Metric]  25.64 48.36 90 top
R9#9  0  [R_0603_1608Metric]  25.64 114.35 90 top
R9#10  0  [R_0603_1608Metric]  77.64 92.36 90 top
R10  100k  [R_0603_1608Metric]  25.9 60.88 180 top
R10#2  100k  [R_0603_1608Metric]  25.9 82.88 180 top
R10#3  100k  [R_0603_1608Metric]  77.9 38.88 180 top
R10#4  100k  [R_0603_1608Metric]  77.9 82.88 180 top
R10#5  100k  [R_0603_1608Metric]  25.9 104.88 180 top
R10#6  100k  [R_0603_1608Metric]  77.9 60.88 180 top
R10#7  100k  [R_0603_1608Metric]  77.9 104.88 180 top
R10#8  100k  [R_0603_1608Metric]  77.9 16.88 180 top
R10#9  100k  [R_0603_1608Metric]  25.9 38.88 180 top
R10#10  100k  [R_0603_1608Metric]  25.9 16.88 180 top
R11  1k  [R_0603_1608Metric]  18.14 50.72 0 top
R11#2  1k  [R_0603_1608Metric]  18.14 116.72 0 top
R11#3  1k  [R_0603_1608Metric]  70.14 50.72 0 top
R11#4  1k  [R_0603_1608Metric]  70.14 94.72 0 top
R11#5  1k  [R_0603_1608Metric]  70.14 72.72 0 top
R11#6  1k  [R_0603_1608Metric]  70.14 116.72 0 top
R11#7  1k  [R_0603_1608Metric]  18.14 72.72 0 top
R11#8  1k  [R_0603_1608Metric]  70.14 28.72 0 top
R11#9  1k  [R_0603_1608Metric]  18.14 94.72 0 top
R11#10  1k  [R_0603_1608Metric]  18.14 28.72 0 top
REF**  -  [Fiducial_0.5mm_Mask1mm]  48 28.5 0 top